# EAGLE board working (EAGLE 9.6.2), part 19 of 28 (continued)
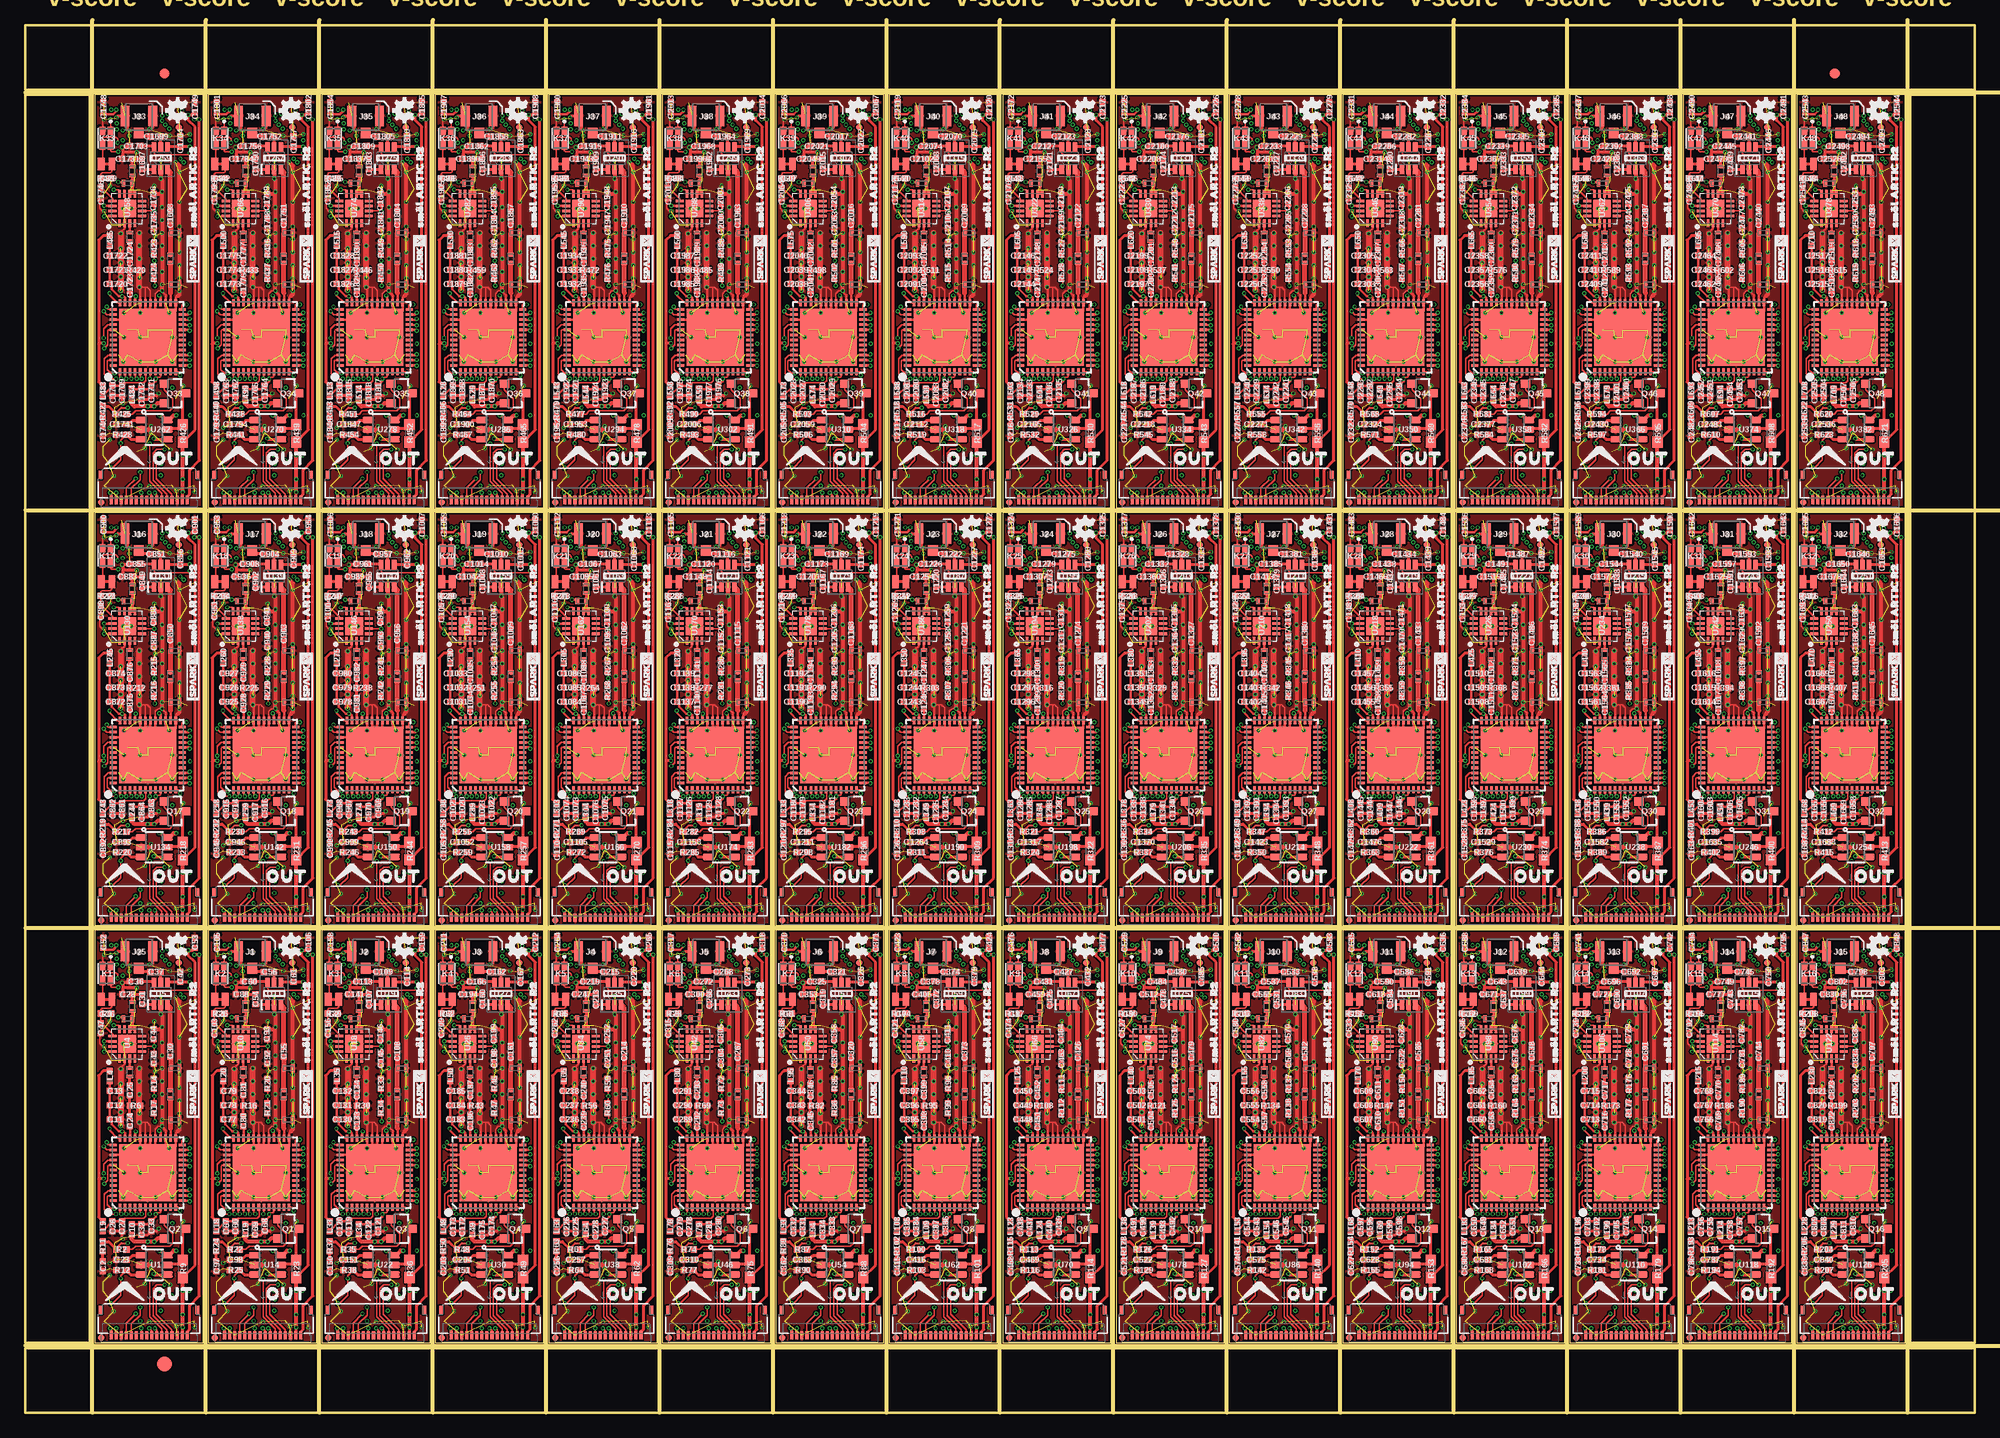
[diagram p0: board, top side]
## Tracks (layer width: path | path; a pad name or v marks a point on that pad's centre or on a via) (continued)
  Bottom 0.152: IN27.11 133.88,86.51 v132.52,85.15
GPIO56  (via drill 0.2)
  Top 0.152: R376.1 143.51,54.61 v143.51,54.36 143.51,52.7 142.73,51.93 v142.54,51.93
  Top 0.305: R376.1 144.52,54.74 U230.3
  Route15 0.127: v144.35,84.63 142.79,84.63 142.55,84.38 142.55,81.34 143.65,80.24 143.65,78.99 143.09,78.43 143.09,76.05 142.55,75.51 142.55,70.38 143.08,69.85 143.08,68.83 143.44,68.46 143.44,62.8 142.41,61.76 142.41,58.19 143.51,57.08 v143.51,54.36
  Bottom 0.152: v144.35,84.63 144.67,84.63 145.55,85.51 IN28.10 | v142.54,51.93 142.42,51.8 141.62,51.8 GPIO28.1
GPIO57  (via drill 0.2)
  Top 0.152: OUT28.10 145.55,49.45 v145.54,49.47
  Route15 0.127: v143.7,85.15 143.44,84.89 142.44,84.89 142.27,84.71 142.27,80.49 143.2,79.55 143.2,79.01 142.81,78.61 142.81,76.2 142.27,75.66 142.27,70.26 142.8,69.73 142.8,68.71 143.19,68.32 143.19,62.94 142.15,61.9 142.15,58.05 142.82,57.38 142.82,52.19 143.12,51.89 145.58,51.89 145.81,51.66 145.81,49.73 v145.54,49.47
  Bottom 0.152: IN28.11 145.05,86.51 v143.7,85.15
GPIO58  (via drill 0.2)
  Top 0.152: R389.1 154.69,54.61 v154.69,54.36 154.69,52.7 153.91,51.93 v153.72,51.93
  Top 0.305: R389.1 155.69,54.74 U238.3
  Route15 0.127: v155.53,84.63 153.97,84.63 153.72,84.38 153.72,81.34 154.82,80.24 154.82,78.99 154.27,78.43 154.27,76.05 153.72,75.51 153.72,70.38 154.25,69.85 154.25,68.83 154.62,68.46 154.62,62.8 153.58,61.76 153.58,58.19 154.69,57.08 v154.69,54.36
  Bottom 0.152: v155.53,84.63 155.85,84.63 156.73,85.51 IN29.10 | v153.72,51.93 153.59,51.8 152.8,51.8 GPIO29.1
GPIO59  (via drill 0.2)
  Top 0.152: OUT29.10 156.73,49.45 v156.72,49.47
  Route15 0.127: v154.88,85.15 154.61,84.89 153.62,84.89 153.44,84.71 153.44,80.49 154.38,79.55 154.38,79.01 153.99,78.61 153.99,76.2 153.44,75.66 153.44,70.26 153.97,69.73 153.97,68.71 154.37,68.32 154.37,62.94 153.33,61.9 153.33,58.05 154,57.38 154,52.19 154.29,51.89 156.75,51.89 156.98,51.66 156.98,49.73 v156.72,49.47
  Bottom 0.152: IN29.11 156.23,86.51 v154.88,85.15
GPIO60  (via drill 0.2)
  Top 0.152: R402.1 165.86,54.61 v165.86,54.36 165.86,52.7 165.09,51.93 v164.9,51.93
  Top 0.305: R402.1 166.87,54.74 U246.3
  Route15 0.127: v166.71,84.63 165.14,84.63 164.9,84.38 164.9,81.34 166,80.24 166,78.99 165.44,78.43 165.44,76.05 164.9,75.51 164.9,70.38 165.43,69.85 165.43,68.83 165.8,68.46 165.8,62.8 164.76,61.76 164.76,58.19 165.86,57.08 v165.86,54.36
  Bottom 0.152: v166.71,84.63 167.02,84.63 167.91,85.51 IN30.10 | v164.9,51.93 164.77,51.8 163.97,51.8 GPIO30.1
GPIO61  (via drill 0.2)
  Top 0.152: OUT30.10 167.91,49.45 v167.89,49.47
  Route15 0.127: v166.05,85.15 165.79,84.89 164.8,84.89 164.62,84.71 164.62,80.49 165.56,79.55 165.56,79.01 165.16,78.61 165.16,76.2 164.62,75.66 164.62,70.26 165.15,69.73 165.15,68.71 165.54,68.32 165.54,62.94 164.5,61.9 164.5,58.05 165.18,57.38 165.18,52.19 165.47,51.89 167.93,51.89 168.16,51.66 168.16,49.73 v167.89,49.47
  Bottom 0.152: IN30.11 167.41,86.51 v166.05,85.15
GPIO62  (via drill 0.2)
  Top 0.152: R415.1 177.04,54.61 v177.04,54.36 177.04,52.7 176.26,51.93 v176.07,51.93
  Top 0.305: R415.1 178.04,54.74 U254.3
  Route15 0.127: v177.88,84.63 176.32,84.63 176.07,84.38 176.07,81.34 177.18,80.24 177.18,78.99 176.62,78.43 176.62,76.05 176.07,75.51 176.07,70.38 176.6,69.85 176.6,68.83 176.97,68.46 176.97,62.8 175.93,61.76 175.93,58.19 177.04,57.08 v177.04,54.36
  Bottom 0.152: v177.88,84.63 178.2,84.63 179.08,85.51 IN31.10 | v176.07,51.93 175.94,51.8 175.15,51.8 GPIO31.1
GPIO63  (via drill 0.2)
  Top 0.152: OUT31.10 179.08,49.45 v179.07,49.47
  Route15 0.127: v177.23,85.15 176.96,84.89 175.97,84.89 175.79,84.71 175.79,80.49 176.73,79.55 176.73,79.01 176.34,78.61 176.34,76.2 175.79,75.66 175.79,70.26 176.32,69.73 176.32,68.71 176.72,68.32 176.72,62.94 175.68,61.9 175.68,58.05 176.35,57.38 176.35,52.19 176.65,51.89 179.11,51.89 179.34,51.66 179.34,49.73 v179.07,49.47
  Bottom 0.152: IN31.11 178.58,86.51 v177.23,85.15
GPIO64  (via drill 0.2)
  Top 0.152: R428.1 9.4,95.76 v9.4,95.5 9.4,93.85 8.62,93.08 v8.43,93.08
  Top 0.305: R428.1 10.4,95.89 U262.3
  Route15 0.127: v10.24,125.77 8.68,125.77 8.43,125.53 8.43,122.49 9.54,121.38 9.54,120.14 8.98,119.58 8.98,117.2 8.43,116.65 8.43,111.53 8.96,111 8.96,109.98 9.33,109.61 9.33,103.95 8.29,102.91 8.29,99.34 9.4,98.23 v9.4,95.5
  Bottom 0.152: v10.24,125.77 10.56,125.77 11.44,126.66 IN32.10 | v8.43,93.08 8.3,92.95 7.51,92.95 GPIO32.1
GPIO65  (via drill 0.2)
  Top 0.152: OUT32.10 11.44,90.6 v11.43,90.62
  Route15 0.127: v9.59,126.3 9.32,126.04 8.33,126.04 8.15,125.86 8.15,121.64 9.09,120.7 9.09,120.15 8.7,119.76 8.7,117.35 8.15,116.81 8.15,111.41 8.68,110.88 8.68,109.86 9.08,109.47 9.08,104.09 8.04,103.05 8.04,99.2 8.71,98.52 8.71,93.33 9.01,93.04 11.46,93.04 11.7,92.81 11.7,90.88 v11.43,90.62
  Bottom 0.152: IN32.11 10.94,127.66 v9.59,126.3
GPIO66  (via drill 0.2)
  Top 0.152: R441.1 20.57,95.76 v20.57,95.5 20.57,93.85 19.8,93.08 v19.61,93.08
  Top 0.305: R441.1 21.58,95.89 U270.3
  Route15 0.127: v21.42,125.77 19.86,125.77 19.61,125.53 19.61,122.49 20.71,121.38 20.71,120.14 20.15,119.58 20.15,117.2 19.61,116.65 19.61,111.53 20.14,111 20.14,109.98 20.51,109.61 20.51,103.95 19.47,102.91 19.47,99.34 20.57,98.23 v20.57,95.5
  Bottom 0.152: v21.42,125.77 21.74,125.77 22.62,126.66 IN33.10 | v19.61,93.08 19.48,92.95 18.68,92.95 GPIO33.1
GPIO67  (via drill 0.2)
  Top 0.152: OUT33.10 22.62,90.6 v22.61,90.62
  Route15 0.127: v20.76,126.3 20.5,126.04 19.51,126.04 19.33,125.86 19.33,121.64 20.27,120.7 20.27,120.15 19.87,119.76 19.87,117.35 19.33,116.81 19.33,111.41 19.86,110.88 19.86,109.86 20.25,109.47 20.25,104.09 19.21,103.05 19.21,99.2 19.89,98.52 19.89,93.33 20.18,93.04 22.64,93.04 22.87,92.81 22.87,90.88 v22.61,90.62
  Bottom 0.152: IN33.11 22.12,127.66 v20.76,126.3
GPIO68  (via drill 0.2)
  Top 0.152: R454.1 31.75,95.76 v31.75,95.5 31.75,93.85 30.97,93.08 v30.78,93.08
  Top 0.305: R454.1 32.76,95.89 U278.3
  Route15 0.127: v32.59,125.77 31.03,125.77 30.79,125.53 30.79,122.49 31.89,121.38 31.89,120.14 31.33,119.58 31.33,117.2 30.79,116.65 30.79,111.53 31.32,111 31.32,109.98 31.69,109.61 31.69,103.95 30.64,102.91 30.64,99.34 31.75,98.23 v31.75,95.5
  Bottom 0.152: v32.59,125.77 32.91,125.77 33.79,126.66 IN34.10 | v30.78,93.08 30.66,92.95 29.86,92.95 GPIO34.1
GPIO69  (via drill 0.2)
  Top 0.152: OUT34.10 33.79,90.6 v33.78,90.62
  Route15 0.127: v31.94,126.3 31.68,126.04 30.69,126.04 30.5,125.86 30.5,121.64 31.44,120.7 31.44,120.15 31.05,119.76 31.05,117.35 30.5,116.81 30.5,111.41 31.04,110.88 31.04,109.86 31.43,109.47 31.43,104.09 30.39,103.05 30.39,99.2 31.06,98.52 31.06,93.33 31.36,93.04 33.82,93.04 34.05,92.81 34.05,90.88 v33.78,90.62
  Bottom 0.152: IN34.11 33.29,127.66 v31.94,126.3
GPIO70  (via drill 0.2)
  Top 0.152: R467.1 42.93,95.76 v42.93,95.5 42.93,93.85 42.15,93.08 v41.96,93.08
  Top 0.305: R467.1 43.93,95.89 U286.3
  Route15 0.127: v43.77,125.77 42.21,125.77 41.96,125.53 41.96,122.49 43.06,121.38 43.06,120.14 42.5,119.58 42.5,117.2 41.96,116.65 41.96,111.53 42.49,111 42.49,109.98 42.86,109.61 42.86,103.95 41.82,102.91 41.82,99.34 42.93,98.23 v42.93,95.5
  Bottom 0.152: v43.77,125.77 44.09,125.77 44.97,126.66 IN35.10 | v41.96,93.08 41.83,92.95 41.03,92.95 GPIO35.1
GPIO71  (via drill 0.2)
  Top 0.152: OUT35.10 44.97,90.6 v44.96,90.62
  Route15 0.127: v43.12,126.3 42.85,126.04 41.86,126.04 41.68,125.86 41.68,121.64 42.62,120.7 42.62,120.15 42.23,119.76 42.23,117.35 41.68,116.81 41.68,111.41 42.21,110.88 42.21,109.86 42.61,109.47 42.61,104.09 41.57,103.05 41.57,99.2 42.24,98.52 42.24,93.33 42.53,93.04 44.99,93.04 45.22,92.81 45.22,90.88 v44.96,90.62
  Bottom 0.152: IN35.11 44.47,127.66 v43.12,126.3
GPIO72  (via drill 0.2)
  Top 0.152: R480.1 54.1,95.76 v54.1,95.5 54.1,93.85 53.33,93.08 v53.13,93.08
  Top 0.305: R480.1 55.11,95.89 U294.3
  Route15 0.127: v54.95,125.77 53.38,125.77 53.14,125.53 53.14,122.49 54.24,121.38 54.24,120.14 53.68,119.58 53.68,117.2 53.14,116.65 53.14,111.53 53.67,111 53.67,109.98 54.04,109.61 54.04,103.95 53,102.91 53,99.34 54.1,98.23 v54.1,95.5
  Bottom 0.152: v54.95,125.77 55.26,125.77 56.15,126.66 IN36.10 | v53.13,93.08 53.01,92.95 52.21,92.95 GPIO36.1
GPIO73  (via drill 0.2)
  Top 0.152: OUT36.10 56.15,90.6 v56.13,90.62
  Route15 0.127: v54.29,126.3 54.03,126.04 53.04,126.04 52.86,125.86 52.86,121.64 53.8,120.7 53.8,120.15 53.4,119.76 53.4,117.35 52.86,116.81 52.86,111.41 53.39,110.88 53.39,109.86 53.78,109.47 53.78,104.09 52.74,103.05 52.74,99.2 53.41,98.52 53.41,93.33 53.71,93.04 56.17,93.04 56.4,92.81 56.4,90.88 v56.13,90.62
  Bottom 0.152: IN36.11 55.65,127.66 v54.29,126.3
GPIO74  (via drill 0.2)
  Top 0.152: R493.1 65.28,95.76 v65.28,95.5 65.28,93.85 64.5,93.08 v64.31,93.08
  Top 0.305: R493.1 66.28,95.89 U302.3
  Route15 0.127: v66.12,125.77 64.56,125.77 64.31,125.53 64.31,122.49 65.42,121.38 65.42,120.14 64.86,119.58 64.86,117.2 64.31,116.65 64.31,111.53 64.84,111 64.84,109.98 65.21,109.61 65.21,103.95 64.17,102.91 64.17,99.34 65.28,98.23 v65.28,95.5
  Bottom 0.152: v66.12,125.77 66.44,125.77 67.32,126.66 IN37.10 | v64.31,93.08 64.18,92.95 63.39,92.95 GPIO37.1
GPIO75  (via drill 0.2)
  Top 0.152: OUT37.10 67.32,90.6 v67.31,90.62
  Route15 0.127: v65.47,126.3 65.2,126.04 64.21,126.04 64.03,125.86 64.03,121.64 64.97,120.7 64.97,120.15 64.58,119.76 64.58,117.35 64.03,116.81 64.03,111.41 64.56,110.88 64.56,109.86 64.96,109.47 64.96,104.09 63.92,103.05 63.92,99.2 64.59,98.52 64.59,93.33 64.89,93.04 67.34,93.04 67.58,92.81 67.58,90.88 v67.31,90.62
  Bottom 0.152: IN37.11 66.82,127.66 v65.47,126.3
GPIO76  (via drill 0.2)
  Top 0.152: R506.1 76.45,95.76 v76.45,95.5 76.45,93.85 75.68,93.08 v75.49,93.08
  Top 0.305: R506.1 77.46,95.89 U310.3
  Route15 0.127: v77.3,125.77 75.74,125.77 75.49,125.53 75.49,122.49 76.59,121.38 76.59,120.14 76.03,119.58 76.03,117.2 75.49,116.65 75.49,111.53 76.02,111 76.02,109.98 76.39,109.61 76.39,103.95 75.35,102.91 75.35,99.34 76.45,98.23 v76.45,95.5
  Bottom 0.152: v77.3,125.77 77.62,125.77 78.5,126.66 IN38.10 | v75.49,93.08 75.36,92.95 74.56,92.95 GPIO38.1
GPIO77  (via drill 0.2)
  Top 0.152: OUT38.10 78.5,90.6 v78.49,90.62
  Route15 0.127: v76.65,126.3 76.38,126.04 75.39,126.04 75.21,125.86 75.21,121.64 76.15,120.7 76.15,120.15 75.75,119.76 75.75,117.35 75.21,116.81 75.21,111.41 75.74,110.88 75.74,109.86 76.14,109.47 76.14,104.09 75.09,103.05 75.09,99.2 75.77,98.52 75.77,93.33 76.06,93.04 78.52,93.04 78.75,92.81 78.75,90.88 v78.49,90.62
  Bottom 0.152: IN38.11 78,127.66 v76.65,126.3
GPIO78  (via drill 0.2)
  Top 0.152: R519.1 87.63,95.76 v87.63,95.5 87.63,93.85 86.85,93.08 v86.66,93.08
  Top 0.305: R519.1 88.64,95.89 U318.3
  Route15 0.127: v88.48,125.77 86.91,125.77 86.67,125.53 86.67,122.49 87.77,121.38 87.77,120.14 87.21,119.58 87.21,117.2 86.67,116.65 86.67,111.53 87.2,111 87.2,109.98 87.56,109.61 87.56,103.95 86.53,102.91 86.53,99.34 87.63,98.23 v87.63,95.5
  Bottom 0.152: v88.48,125.77 88.79,125.77 89.67,126.66 IN39.10 | v86.66,93.08 86.54,92.95 85.74,92.95 GPIO39.1
GPIO79  (via drill 0.2)
  Top 0.152: OUT39.10 89.67,90.6 v89.66,90.62
  Route15 0.127: v87.82,126.3 87.56,126.04 86.56,126.04 86.39,125.86 86.39,121.64 87.32,120.7 87.32,120.15 86.93,119.76 86.93,117.35 86.39,116.81 86.39,111.41 86.92,110.88 86.92,109.86 87.31,109.47 87.31,104.09 86.27,103.05 86.27,99.2 86.94,98.52 86.94,93.33 87.24,93.04 89.7,93.04 89.93,92.81 89.93,90.88 v89.66,90.62
  Bottom 0.152: IN39.11 89.17,127.66 v87.82,126.3
GPIO80  (via drill 0.2)
  Top 0.152: R532.1 98.81,95.76 v98.81,95.5 98.81,93.85 98.03,93.08 v97.84,93.08
  Top 0.305: R532.1 99.81,95.89 U326.3
  Route15 0.127: v99.65,125.77 98.09,125.77 97.84,125.53 97.84,122.49 98.94,121.38 98.94,120.14 98.39,119.58 98.39,117.2 97.84,116.65 97.84,111.53 98.37,111 98.37,109.98 98.74,109.61 98.74,103.95 97.7,102.91 97.7,99.34 98.81,98.23 v98.81,95.5
  Bottom 0.152: v99.65,125.77 99.97,125.77 100.85,126.66 IN40.10 | v97.84,93.08 97.71,92.95 96.92,92.95 GPIO40.1
GPIO81  (via drill 0.2)
  Top 0.152: OUT40.10 100.85,90.6 v100.84,90.62
  Route15 0.127: v99,126.3 98.73,126.04 97.74,126.04 97.56,125.86 97.56,121.64 98.5,120.7 98.5,120.15 98.11,119.76 98.11,117.35 97.56,116.81 97.56,111.41 98.09,110.88 98.09,109.86 98.49,109.47 98.49,104.09 97.45,103.05 97.45,99.2 98.12,98.52 98.12,93.33 98.41,93.04 100.87,93.04 101.1,92.81 101.1,90.88 v100.84,90.62
  Bottom 0.152: IN40.11 100.35,127.66 v99,126.3
GPIO82  (via drill 0.2)
  Top 0.152: R545.1 109.98,95.76 v109.98,95.5 109.98,93.85 109.21,93.08 v109.02,93.08
  Top 0.305: R545.1 110.99,95.89 U334.3
  Route15 0.127: v110.83,125.77 109.26,125.77 109.02,125.53 109.02,122.49 110.12,121.38 110.12,120.14 109.56,119.58 109.56,117.2 109.02,116.65 109.02,111.53 109.55,111 109.55,109.98 109.92,109.61 109.92,103.95 108.88,102.91 108.88,99.34 109.98,98.23 v109.98,95.5
  Bottom 0.152: v110.83,125.77 111.14,125.77 112.03,126.66 IN41.10 | v109.02,93.08 108.89,92.95 108.09,92.95 GPIO41.1
GPIO83  (via drill 0.2)
  Top 0.152: OUT41.10 112.03,90.6 v112.01,90.62
  Route15 0.127: v110.17,126.3 109.91,126.04 108.92,126.04 108.74,125.86 108.74,121.64 109.68,120.7 109.68,120.15 109.28,119.76 109.28,117.35 108.74,116.81 108.74,111.41 109.27,110.88 109.27,109.86 109.66,109.47 109.66,104.09 108.62,103.05 108.62,99.2 109.3,98.52 109.3,93.33 109.59,93.04 112.05,93.04 112.28,92.81 112.28,90.88 v112.01,90.62
  Bottom 0.152: IN41.11 111.53,127.66 v110.17,126.3
GPIO84  (via drill 0.2)
  Top 0.152: R558.1 121.16,95.76 v121.16,95.5 121.16,93.85 120.38,93.08 v120.19,93.08
  Top 0.305: R558.1 122.16,95.89 U342.3
  Route15 0.127: v122,125.77 120.44,125.77 120.19,125.53 120.19,122.49 121.3,121.38 121.3,120.14 120.74,119.58 120.74,117.2 120.19,116.65 120.19,111.53 120.72,111 120.72,109.98 121.09,109.61 121.09,103.95 120.05,102.91 120.05,99.34 121.16,98.23 v121.16,95.5
  Bottom 0.152: v122,125.77 122.32,125.77 123.2,126.66 IN42.10 | v120.19,93.08 120.06,92.95 119.27,92.95 GPIO42.1
GPIO85  (via drill 0.2)
  Top 0.152: OUT42.10 123.2,90.6 v123.19,90.62
  Route15 0.127: v121.35,126.3 121.08,126.04 120.09,126.04 119.91,125.86 119.91,121.64 120.85,120.7 120.85,120.15 120.46,119.76 120.46,117.35 119.91,116.81 119.91,111.41 120.44,110.88 120.44,109.86 120.84,109.47 120.84,104.09 119.8,103.05 119.8,99.2 120.47,98.52 120.47,93.33 120.77,93.04 123.23,93.04 123.45,92.81 123.45,90.88 v123.19,90.62
  Bottom 0.152: IN42.11 122.7,127.66 v121.35,126.3
GPIO86  (via drill 0.2)
  Top 0.152: R571.1 132.33,95.76 v132.33,95.5 132.33,93.85 131.56,93.08 v131.37,93.08
  Top 0.305: R571.1 133.34,95.89 U350.3
  Route15 0.127: v133.18,125.77 131.62,125.77 131.37,125.53 131.37,122.49 132.47,121.38 132.47,120.14 131.91,119.58 131.91,117.2 131.37,116.65 131.37,111.53 131.9,111 131.9,109.98 132.27,109.61 132.27,103.95 131.23,102.91 131.23,99.34 132.33,98.23 v132.33,95.5
  Bottom 0.152: v133.18,125.77 133.5,125.77 134.38,126.66 IN43.10 | v131.37,93.08 131.24,92.95 130.44,92.95 GPIO43.1
GPIO87  (via drill 0.2)
  Top 0.152: OUT43.10 134.38,90.6 v134.37,90.62
  Route15 0.127: v132.52,126.3 132.26,126.04 131.27,126.04 131.09,125.86 131.09,121.64 132.03,120.7 132.03,120.15 131.63,119.76 131.63,117.35 131.09,116.81 131.09,111.41 131.62,110.88 131.62,109.86 132.01,109.47 132.01,104.09 130.97,103.05 130.97,99.2 131.65,98.52 131.65,93.33 131.94,93.04 134.4,93.04 134.63,92.81 134.63,90.88 v134.37,90.62
  Bottom 0.152: IN43.11 133.88,127.66 v132.52,126.3
GPIO88  (via drill 0.2)
  Top 0.152: R584.1 143.51,95.76 v143.51,95.5 143.51,93.85 142.73,93.08 v142.54,93.08
  Top 0.305: R584.1 144.52,95.89 U358.3
  Route15 0.127: v144.35,125.77 142.79,125.77 142.55,125.53 142.55,122.49 143.65,121.38 143.65,120.14 143.09,119.58 143.09,117.2 142.55,116.65 142.55,111.53 143.08,111 143.08,109.98 143.44,109.61 143.44,103.95 142.41,102.91 142.41,99.34 143.51,98.23 v143.51,95.5
  Bottom 0.152: v144.35,125.77 144.67,125.77 145.55,126.66 IN44.10 | v142.54,93.08 142.42,92.95 141.62,92.95 GPIO44.1
GPIO89  (via drill 0.2)
  Top 0.152: OUT44.10 145.55,90.6 v145.54,90.62
  Route15 0.127: v143.7,126.3 143.44,126.04 142.44,126.04 142.27,125.86 142.27,121.64 143.2,120.7 143.2,120.15 142.81,119.76 142.81,117.35 142.27,116.81 142.27,111.41 142.8,110.88 142.8,109.86 143.19,109.47 143.19,104.09 142.15,103.05 142.15,99.2 142.82,98.52 142.82,93.33 143.12,93.04 145.58,93.04 145.81,92.81 145.81,90.88 v145.54,90.62
  Bottom 0.152: IN44.11 145.05,127.66 v143.7,126.3
GPIO90  (via drill 0.2)
  Top 0.152: R597.1 154.69,95.76 v154.69,95.5 154.69,93.85 153.91,93.08 v153.72,93.08
  Top 0.305: R597.1 155.69,95.89 U366.3
  Route15 0.127: v155.53,125.77 153.97,125.77 153.72,125.53 153.72,122.49 154.82,121.38 154.82,120.14 154.27,119.58 154.27,117.2 153.72,116.65 153.72,111.53 154.25,111 154.25,109.98 154.62,109.61 154.62,103.95 153.58,102.91 153.58,99.34 154.69,98.23 v154.69,95.5
  Bottom 0.152: v155.53,125.77 155.85,125.77 156.73,126.66 IN45.10 | v153.72,93.08 153.59,92.95 152.8,92.95 GPIO45.1
GPIO91  (via drill 0.2)
  Top 0.152: OUT45.10 156.73,90.6 v156.72,90.62
  Route15 0.127: v154.88,126.3 154.61,126.04 153.62,126.04 153.44,125.86 153.44,121.64 154.38,120.7 154.38,120.15 153.99,119.76 153.99,117.35 153.44,116.81 153.44,111.41 153.97,110.88 153.97,109.86 154.37,109.47 154.37,104.09 153.33,103.05 153.33,99.2 154,98.52 154,93.33 154.29,93.04 156.75,93.04 156.98,92.81 156.98,90.88 v156.72,90.62
  Bottom 0.152: IN45.11 156.23,127.66 v154.88,126.3
GPIO92  (via drill 0.2)
  Top 0.152: R610.1 165.86,95.76 v165.86,95.5 165.86,93.85 165.09,93.08 v164.9,93.08
  Top 0.305: R610.1 166.87,95.89 U374.3
  Route15 0.127: v166.71,125.77 165.14,125.77 164.9,125.53 164.9,122.49 166,121.38 166,120.14 165.44,119.58 165.44,117.2 164.9,116.65 164.9,111.53 165.43,111 165.43,109.98 165.8,109.61 165.8,103.95 164.76,102.91 164.76,99.34 165.86,98.23 v165.86,95.5
  Bottom 0.152: v166.71,125.77 167.02,125.77 167.91,126.66 IN46.10 | v164.9,93.08 164.77,92.95 163.97,92.95 GPIO46.1
GPIO93  (via drill 0.2)
  Top 0.152: OUT46.10 167.91,90.6 v167.89,90.62
  Route15 0.127: v166.05,126.3 165.79,126.04 164.8,126.04 164.62,125.86 164.62,121.64 165.56,120.7 165.56,120.15 165.16,119.76 165.16,117.35 164.62,116.81 164.62,111.41 165.15,110.88 165.15,109.86 165.54,109.47 165.54,104.09 164.5,103.05 164.5,99.2 165.18,98.52 165.18,93.33 165.47,93.04 167.93,93.04 168.16,92.81 168.16,90.88 v167.89,90.62
  Bottom 0.152: IN46.11 167.41,127.66 v166.05,126.3
GPIO94  (via drill 0.2)
  Top 0.152: R623.1 177.04,95.76 v177.04,95.5 177.04,93.85 176.26,93.08 v176.07,93.08
  Top 0.305: R623.1 178.04,95.89 U382.3
  Route15 0.127: v177.88,125.77 176.32,125.77 176.07,125.53 176.07,122.49 177.18,121.38 177.18,120.14 176.62,119.58 176.62,117.2 176.07,116.65 176.07,111.53 176.6,111 176.6,109.98 176.97,109.61 176.97,103.95 175.93,102.91 175.93,99.34 177.04,98.23 v177.04,95.5
  Bottom 0.152: v177.88,125.77 178.2,125.77 179.08,126.66 IN47.10 | v176.07,93.08 175.94,92.95 175.15,92.95 GPIO47.1
GPIO95  (via drill 0.2)
  Top 0.152: OUT47.10 179.08,90.6 v179.07,90.62
  Route15 0.127: v177.23,126.3 176.96,126.04 175.97,126.04 175.79,125.86 175.79,121.64 176.73,120.7 176.73,120.15 176.34,119.76 176.34,117.35 175.79,116.81 175.79,111.41 176.32,110.88 176.32,109.86 176.72,109.47 176.72,104.09 175.68,103.05 175.68,99.2 176.35,98.52 176.35,93.33 176.65,93.04 179.11,93.04 179.34,92.81 179.34,90.88 v179.07,90.62
  Bottom 0.152: IN47.11 178.58,127.66 v177.23,126.3
INT1  (via drill 0.2)
  Top 0.152: U3.47 8.16,21.37 8.06,21.27 8.06,20.45 8.45,20.07 v8.76,20.07
  Route15 0.127: v8.76,20.07 8.76,20.01 8.55,19.79 8.55,17.15 10.03,15.66 10.03,12.07 11.07,11.04 12.46,11.04 12.95,10.54 12.95,9.88 13.18,9.65 13.49,9.65 13.71,9.88 13.71,10.86 v13.4,11.18
  Bottom 0.152: U8.2 13.71,10.36 13.4,10.67 v13.4,11.18
INT2  (via drill 0.2)
  Top 0.152: U9.47 19.34,21.37 19.24,21.27 19.24,20.45 19.62,20.07 v19.94,20.07
  Route15 0.127: v19.94,20.07 19.94,20.01 19.72,19.79 19.72,17.15 21.21,15.66 21.21,12.07 22.24,11.04 23.64,11.04 24.13,10.54 24.13,9.88 24.35,9.65 24.67,9.65 24.89,9.88 24.89,10.86 v24.57,11.18
  Bottom 0.152: U16.2 24.88,10.36 24.57,10.67 v24.57,11.18
INT3  (via drill 0.2)
  Top 0.152: U17.47 30.52,21.37 30.42,21.27 30.42,20.45 30.8,20.07 v31.12,20.07
  Route15 0.127: v31.12,20.07 31.12,20.01 30.9,19.79 30.9,17.15 32.38,15.66 32.38,12.07 33.42,11.04 34.81,11.04 35.31,10.54 35.31,9.88 35.53,9.65 35.84,9.65 36.07,9.88 36.07,10.86 v35.75,11.18
  Bottom 0.152: U24.2 36.06,10.36 35.75,10.67 v35.75,11.18
INT4  (via drill 0.2)
  Top 0.152: U25.47 41.69,21.37 41.59,21.27 41.59,20.45 41.97,20.07 v42.29,20.07
  Route15 0.127: v42.29,20.07 42.29,20.01 42.07,19.79 42.07,17.15 43.56,15.66 43.56,12.07 44.59,11.04 45.99,11.04 46.48,10.54 46.48,9.88 46.71,9.65 47.02,9.65 47.24,9.88 47.24,10.86 v46.93,11.18
  Bottom 0.152: U32.2 47.24,10.36 46.93,10.67 v46.93,11.18
INT5  (via drill 0.2)
  Top 0.152: U33.47 52.87,21.37 52.77,21.27 52.77,20.45 53.15,20.07 v53.47,20.07
  Route15 0.127: v53.47,20.07 53.47,20.01 53.25,19.79 53.25,17.15 54.73,15.66 54.73,12.07 55.77,11.04 57.17,11.04 57.66,10.54 57.66,9.88 57.88,9.65 58.2,9.65 58.42,9.88 58.42,10.86 v58.1,11.18
  Bottom 0.152: U40.2 58.41,10.36 58.1,10.67 v58.1,11.18
INT6  (via drill 0.2)
  Top 0.152: U41.47 64.04,21.37 63.95,21.27 63.95,20.45 64.33,20.07 v64.64,20.07
  Route15 0.127: v64.64,20.07 64.64,20.01 64.43,19.79 64.43,17.15 65.91,15.66 65.91,12.07 66.95,11.04 68.34,11.04 68.83,10.54 68.83,9.88 69.06,9.65 69.37,9.65 69.59,9.88 69.59,10.86 v69.28,11.18
  Bottom 0.152: U48.2 69.59,10.36 69.28,10.67 v69.28,11.18
INT7  (via drill 0.2)
  Top 0.152: U49.47 75.22,21.37 75.12,21.27 75.12,20.45 75.5,20.07 v75.82,20.07
  Route15 0.127: v75.82,20.07 75.82,20.01 75.6,19.79 75.6,17.15 77.09,15.66 77.09,12.07 78.12,11.04 79.52,11.04 80.01,10.54 80.01,9.88 80.23,9.65 80.55,9.65 80.77,9.88 80.77,10.86 v80.45,11.18
  Bottom 0.152: U56.2 80.76,10.36 80.45,10.67 v80.45,11.18
INT8  (via drill 0.2)
  Top 0.152: U57.47 86.4,21.37 86.3,21.27 86.3,20.45 86.68,20.07 v87,20.07
  Route15 0.127: v87,20.07 87,20.01 86.78,19.79 86.78,17.15 88.26,15.66 88.26,12.07 89.3,11.04 90.7,11.04 91.19,10.54 91.19,9.88 91.41,9.65 91.72,9.65 91.95,9.88 91.95,10.86 v91.63,11.18
  Bottom 0.152: U64.2 91.94,10.36 91.63,10.67 v91.63,11.18
INT9  (via drill 0.2)
  Top 0.152: U65.47 97.57,21.37 97.47,21.27 97.47,20.45 97.85,20.07 v98.17,20.07
  Route15 0.127: v98.17,20.07 98.17,20.01 97.95,19.79 97.95,17.15 99.44,15.66 99.44,12.07 100.47,11.04 101.87,11.04 102.36,10.54 102.36,9.88 102.59,9.65 102.9,9.65 103.12,9.88 103.12,10.86 v102.81,11.18
  Bottom 0.152: U72.2 103.12,10.36 102.81,10.67 v102.81,11.18
INT10  (via drill 0.2)
  Top 0.152: U73.47 108.75,21.37 108.65,21.27 108.65,20.45 109.03,20.07 v109.35,20.07
  Route15 0.127: v109.35,20.07 109.35,20.01 109.13,19.79 109.13,17.15 110.62,15.66 110.62,12.07 111.65,11.04 113.05,11.04 113.54,10.54 113.54,9.88 113.76,9.65 114.08,9.65 114.3,9.88 114.3,10.86 v113.98,11.18
  Bottom 0.152: U80.2 114.29,10.36 113.98,10.67 v113.98,11.18
INT11  (via drill 0.2)
  Top 0.152: U81.47 119.92,21.37 119.82,21.27 119.82,20.45 120.2,20.07 v120.52,20.07
  Route15 0.127: v120.52,20.07 120.52,20.01 120.31,19.79 120.31,17.15 121.79,15.66 121.79,12.07 122.83,11.04 124.22,11.04 124.71,10.54 124.71,9.88 124.94,9.65 125.25,9.65 125.47,9.88 125.47,10.86 v125.16,11.18
  Bottom 0.152: U88.2 125.47,10.36 125.16,10.67 v125.16,11.18
INT12  (via drill 0.2)
  Top 0.152: U89.47 131.1,21.37 131,21.27 131,20.45 131.38,20.07 v131.7,20.07
  Route15 0.127: v131.7,20.07 131.7,20.01 131.48,19.79 131.48,17.15 132.97,15.66 132.97,12.07 134,11.04 135.4,11.04 135.89,10.54 135.89,9.88 136.11,9.65 136.43,9.65 136.65,9.88 136.65,10.86 v136.33,11.18
  Bottom 0.152: U96.2 136.64,10.36 136.33,10.67 v136.33,11.18
INT13  (via drill 0.2)
  Top 0.152: U97.47 142.28,21.37 142.18,21.27 142.18,20.45 142.56,20.07 v142.88,20.07
  Route15 0.127: v142.88,20.07 142.88,20.01 142.66,19.79 142.66,17.15 144.14,15.66 144.14,12.07 145.18,11.04 146.58,11.04 147.07,10.54 147.07,9.88 147.29,9.65 147.6,9.65 147.83,9.88 147.83,10.86 v147.51,11.18
  Bottom 0.152: U104.2 147.82,10.36 147.51,10.67 v147.51,11.18
INT14  (via drill 0.2)
  Top 0.152: U105.47 153.45,21.37 153.35,21.27 153.35,20.45 153.73,20.07 v154.05,20.07
  Route15 0.127: v154.05,20.07 154.05,20.01 153.84,19.79 153.84,17.15 155.32,15.66 155.32,12.07 156.35,11.04 157.75,11.04 158.24,10.54 158.24,9.88 158.47,9.65 158.78,9.65 159,9.88 159,10.86 v158.69,11.18
  Bottom 0.152: U112.2 159,10.36 158.69,10.67 v158.69,11.18
INT15  (via drill 0.2)
  Top 0.152: U113.47 164.63,21.37 164.53,21.27 164.53,20.45 164.91,20.07 v165.23,20.07
  Route15 0.127: v165.23,20.07 165.23,20.01 165.01,19.79 165.01,17.15 166.5,15.66 166.5,12.07 167.53,11.04 168.93,11.04 169.42,10.54 169.42,9.88 169.64,9.65 169.96,9.65 170.18,9.88 170.18,10.86 v169.86,11.18
  Bottom 0.152: U120.2 170.17,10.36 169.86,10.67 v169.86,11.18
INT16  (via drill 0.2)